# KiCad board the PETER keyboard.kicad_pcb
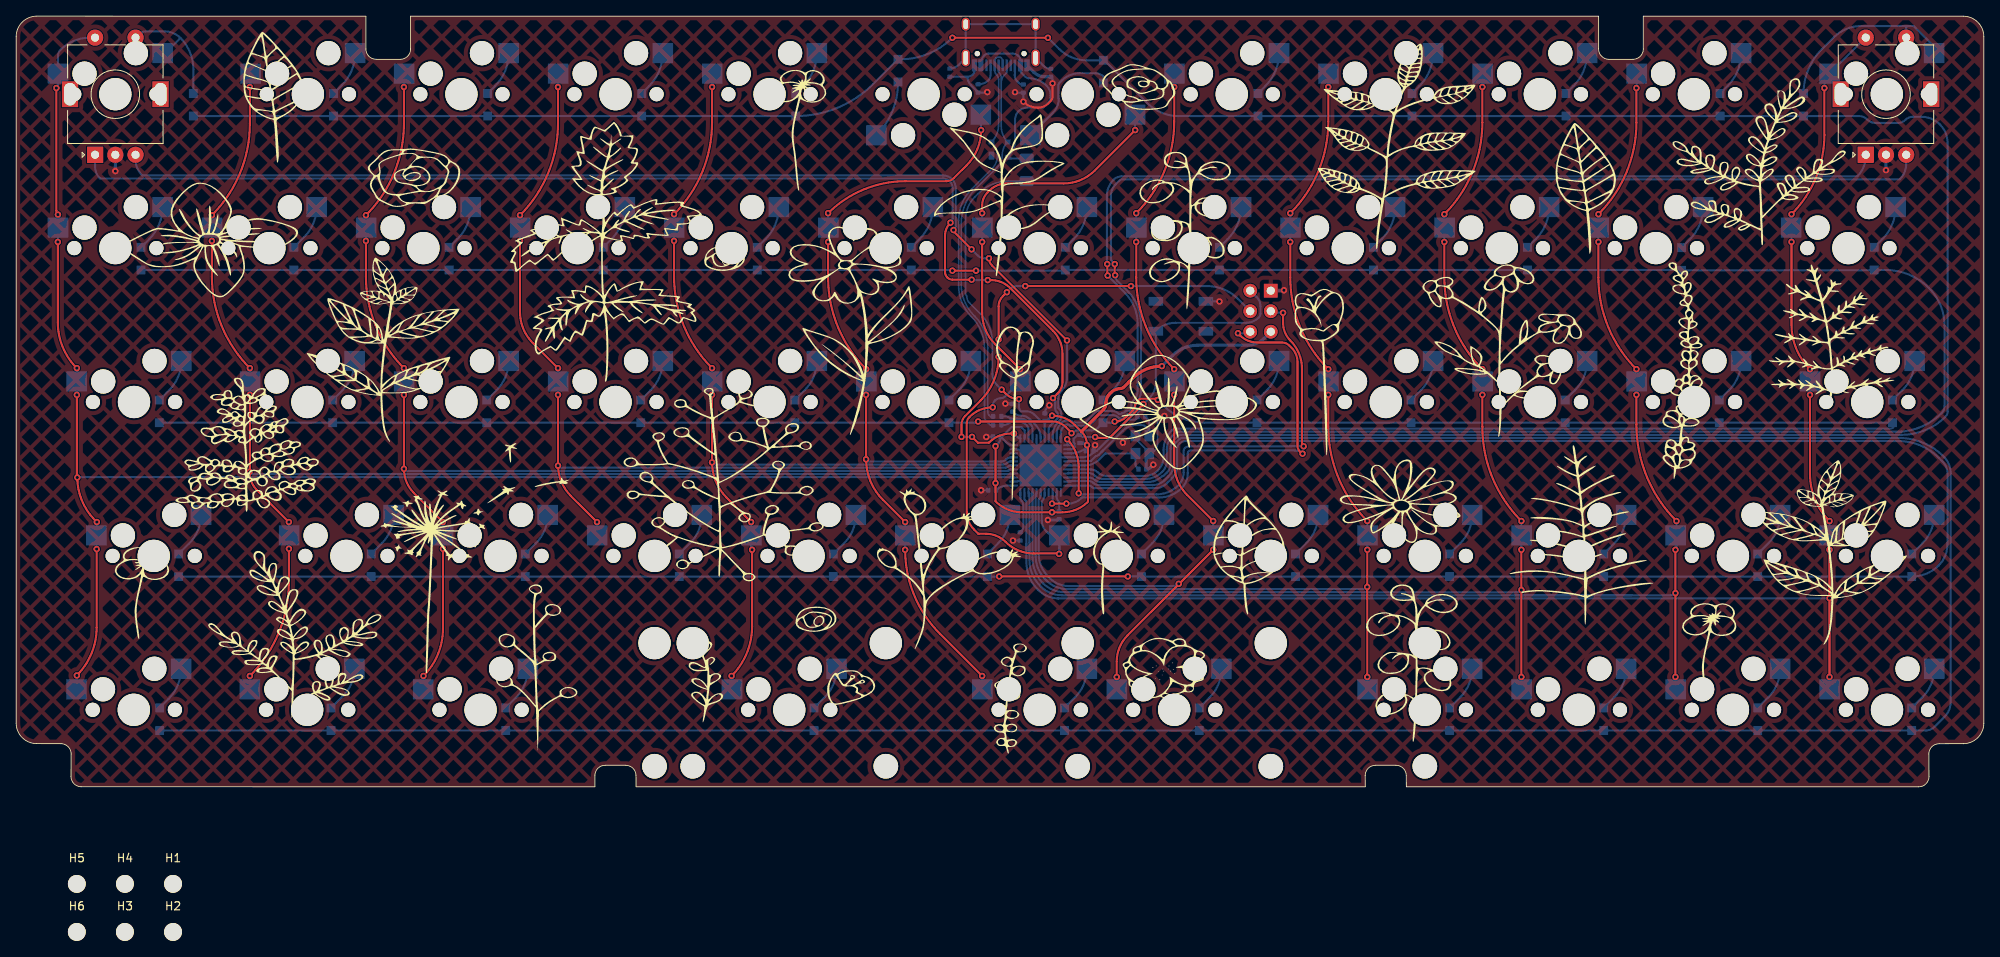
[diagram p0: board, top side]
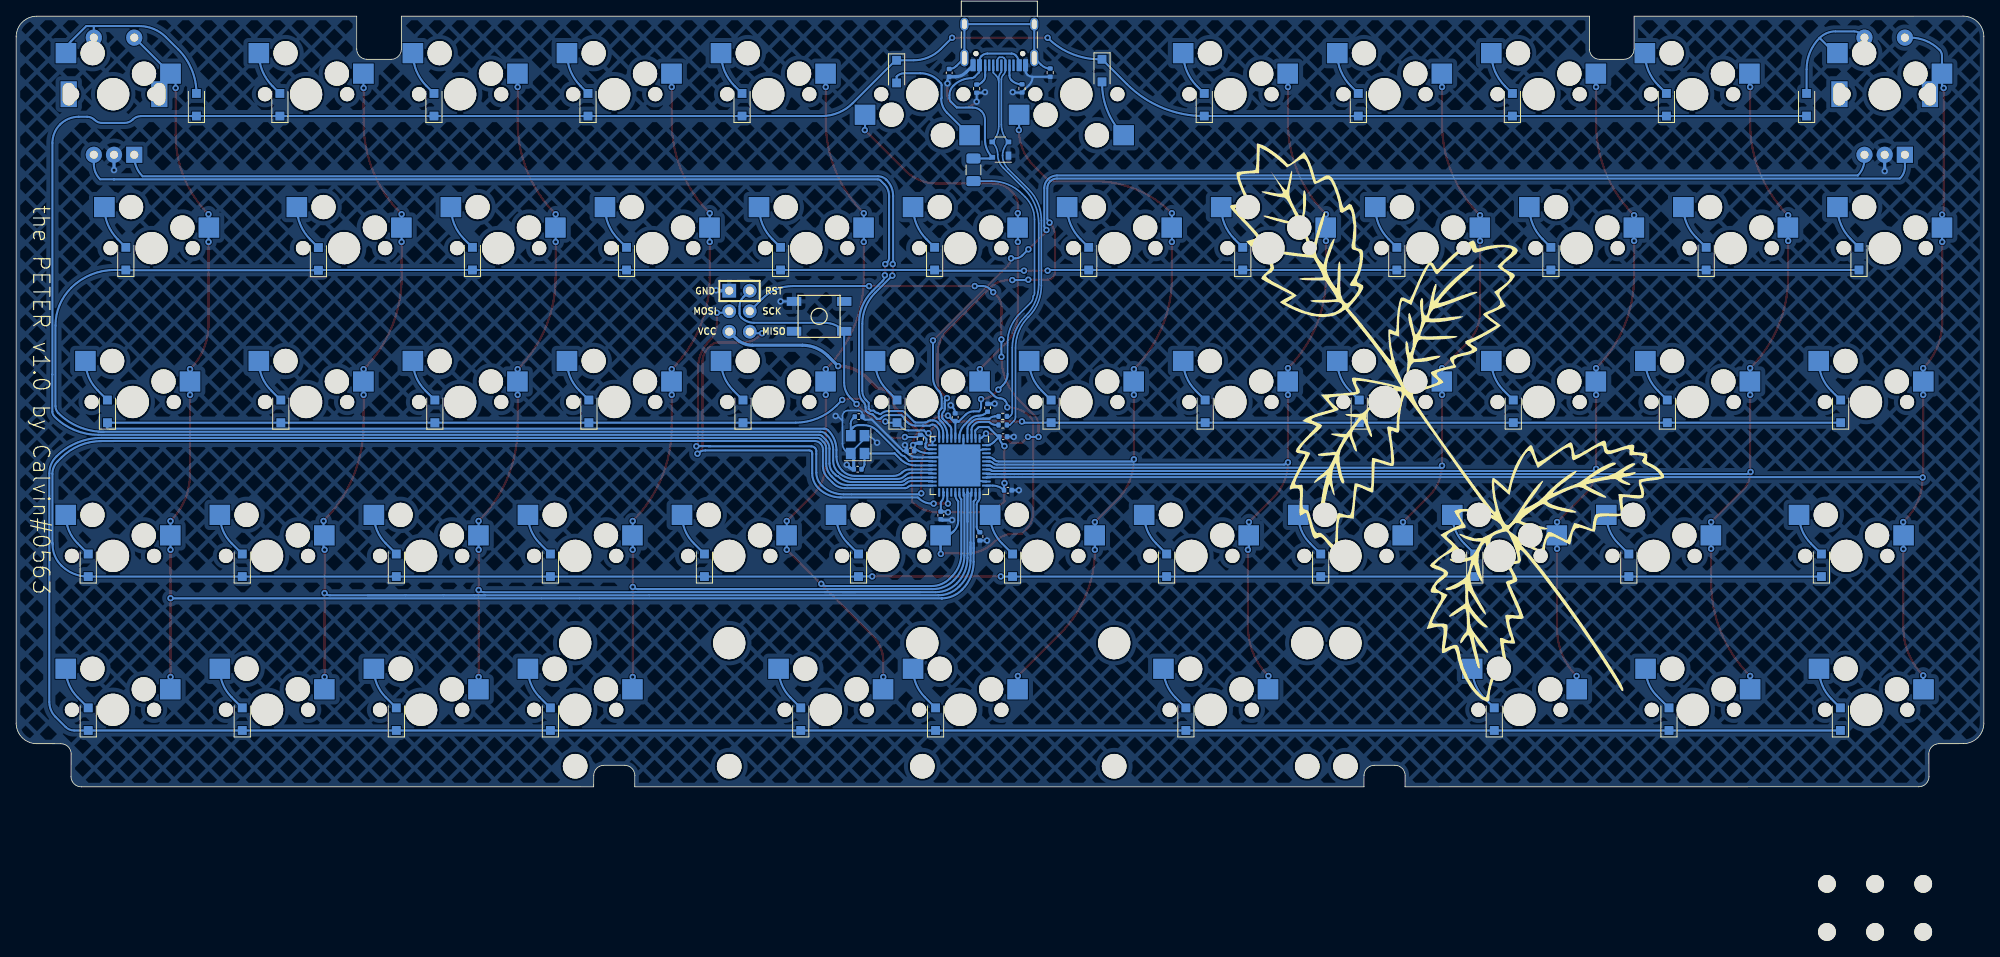
[diagram p1: board, bottom side, seen from below]

Outline 243.31 x 95.39 mm; copper layers: Top, Bottom. Coordinates in mm from the lower left corner of the outline.
Outline path: 0,92.85 0,7.89 arc(0.74,6.09) 2.54,5.35 5.53,5.34 arc(6.42,4.97) 6.8,4.07 6.78,1.28 arc(7.15,0.38) 8.05,0.01 71.57,0.01 71.56,1.39 arc(71.93,2.29) 72.83,2.66 75.37,2.66 arc(76.27,2.29) 76.64,1.39 76.65,0.01 166.82,0.01 166.81,1.39 arc(167.18,2.29) 168.08,2.66 170.62,2.66 arc(171.52,2.29) 171.89,1.39 171.9,0.01 235.26,0 arc(236.16,0.37) 236.53,1.27 236.51,4.07 arc(236.88,4.96) 237.78,5.34 240.77,5.34 arc(242.56,6.08) 243.31,7.88 243.31,92.84 arc(242.56,94.64) 240.77,95.38 201.2,95.38 201.2,91.32 arc(200.83,90.42) 199.93,90.05 196.94,90.05 arc(196.05,90.42) 195.67,91.32 195.67,95.38 48.77,95.38 48.77,91.32 arc(48.4,90.42) 47.5,90.05 44.52,90.05 arc(43.62,90.42) 43.25,91.32 43.25,95.38 2.54,95.39 arc(0.74,94.65) 0,92.85
Stack: Top 0.035mm / dielectric 1.51mm FR4 er 4.5 / Bottom 0.035mm

## Placement (name value [footprint] x y rotation side)
C_crystal1  22pF  [C_0402_1005Metric]  139.26 39.31 180 bottom
C_crystal2  22pF  [C_0402_1005Metric]  139.13 45.81 0 bottom
C_Decoupler1  0.1uF  [C_0402_1005Metric]  128.97 33.6 270 bottom
C_Decoupler2  0.1uF  [C_0402_1005Metric]  120.68 36.71 180 bottom
C_Decoupler3  0.1uF  [C_0402_1005Metric]  132.73 41.57 0 bottom
C_Decoupler4  10uF  [C_0402_1005Metric]  127.19 45.75 90 bottom
C_Decoupler5  0.1uF  [C_0402_1005Metric]  121.26 43.34 180 bottom
C_UCAP1  1uF  [C_0402_1005Metric]  123.18 46.92 90 bottom
C_USBSHIELD1  4.7nF  [C_0402_1005Metric]  127.93 88.37 270 bottom
D1  D_Small  [D_SOD-123F]  21.91 84.42 90 bottom
D2  D_Small  [D_SOD-123F]  39.25 84.42 90 bottom
D3  D_Small  [D_SOD-123F]  58.3 84.42 90 bottom
D4  D_Small  [D_SOD-123F]  77.35 84.42 90 bottom
D5  D_Small  [D_SOD-123F]  96.4 84.42 90 bottom
D6  D_Small  [D_SOD-123F]  109.03 88.65 270 bottom
D7  D_Small  [D_SOD-123F]  134.43 88.52 270 bottom
D8  D_Small  [D_SOD-123F]  153.55 84.42 90 bottom
D9  D_Small  [D_SOD-123F]  172.6 84.42 90 bottom
D10  D_Small  [D_SOD-123F]  191.65 84.42 90 bottom
D11  D_Small  [D_SOD-123F]  210.7 84.42 90 bottom
D12  D_Small  [D_SOD-123F]  221.02 84.42 90 bottom
D13  D_Small  [D_SOD-123F]  15.43 65.37 90 bottom
D14  D_Small  [D_SOD-123F]  34.33 65.37 90 bottom
D15  D_Small  [D_SOD-123F]  53.53 65.37 90 bottom
D16  D_Small  [D_SOD-123F]  72.58 65.37 90 bottom
D17  D_Small  [D_SOD-123F]  91.63 65.37 90 bottom
D18  D_Small  [D_SOD-123F]  110.68 65.37 90 bottom
D19  D_Small  [D_SOD-123F]  129.73 65.37 90 bottom
D20  D_Small  [D_SOD-123F]  148.78 65.37 90 bottom
D21  D_Small  [D_SOD-123F]  167.83 65.37 90 bottom
D22  D_Small  [D_SOD-123F]  186.88 65.37 90 bottom
D23  D_Small  [D_SOD-123F]  205.93 65.34 90 bottom
D24  D_Small  [D_SOD-123F]  229.75 65.37 90 bottom
D25  D_Small  [D_SOD-123F]  17.7 46.47 90 bottom
D26  D_Small  [D_SOD-123F]  39.14 46.47 90 bottom
D27  D_Small  [D_SOD-123F]  58.19 46.47 90 bottom
D28  D_Small  [D_SOD-123F]  77.24 46.47 90 bottom
D29  D_Small  [D_SOD-123F]  96.29 46.47 90 bottom
D30  D_Small  [D_SOD-123F]  115.34 46.47 90 bottom
D31  D_Small  [D_SOD-123F]  134.39 46.47 90 bottom
D32  D_Small  [D_SOD-123F]  153.44 46.47 90 bottom
D33  D_Small  [D_SOD-123F]  172.49 46.47 90 bottom
D34  D_Small  [D_SOD-123F]  191.54 46.47 90 bottom
D35  D_Small  [D_SOD-123F]  210.59 46.47 90 bottom
D36  D_Small  [D_SOD-123F]  232.02 46.47 90 bottom
D37  D_Small  [D_SOD-123F]  20.09 27.42 90 bottom
D38  D_Small  [D_SOD-123F]  43.9 27.42 90 bottom
D39  D_Small  [D_SOD-123F]  62.95 27.42 90 bottom
D40  D_Small  [D_SOD-123F]  82 27.42 90 bottom
D41  D_Small  [D_SOD-123F]  101.05 27.42 90 bottom
D42  D_Small  [D_SOD-123F]  120.1 27.42 90 bottom
D43  D_Small  [D_SOD-123F]  139.15 27.42 90 bottom
D44  D_Small  [D_SOD-123F]  158.2 27.42 90 bottom
D45  D_Small  [D_SOD-123F]  177.25 27.42 90 bottom
D46  D_Small  [D_SOD-123F]  196.3 27.42 90 bottom
D47  D_Small  [D_SOD-123F]  215.35 27.42 90 bottom
D48  D_Small  [D_SOD-123F]  234.4 27.42 90 bottom
D49  D_Small  [D_SOD-123F]  17.73 8.37 90 bottom
D50  D_Small  [D_SOD-123F]  38.93 8.37 90 bottom
D51  D_Small  [D_SOD-123F]  60.53 8.37 90 bottom
D52  D_Small  [D_SOD-123F]  98.67 8.37 90 bottom
D53  D_Small  [D_SOD-123F]  129.62 8.37 90 bottom
D54  D_Small  [D_SOD-123F]  146.29 8.37 90 bottom
D55  D_Small  [D_SOD-123F]  177.25 8.37 90 bottom
D56  D_Small  [D_SOD-123F]  196.3 8.37 90 bottom
D57  D_Small  [D_SOD-123F]  215.35 8.37 90 bottom
D58  D_Small  [D_SOD-123F]  234.4 8.37 90 bottom
D59  PRTR5V0U2X  [SOT-143]  121.61 78.87 0 bottom
F_USBC1  500mA  [Fuse_1206_3216Metric]  124.93 76.37 270 bottom
G***  -  [LOGO]  124.18 48.05 0 top
G***#2  -  [LOGO]  65.89 45.24 145 bottom
H1  MountingHole  [MountingHole_2.2mm_M2]  19.4 -12.01 0 top
H2  MountingHole  [MountingHole_2.2mm_M2]  19.4 -17.96 0 top
H3  MountingHole  [MountingHole_2.2mm_M2]  13.45 -17.96 0 top
H4  MountingHole  [MountingHole_2.2mm_M2]  13.45 -12.01 0 top
H5  MountingHole  [MountingHole_2.2mm_M2]  7.5 -12.01 0 top
H6  MountingHole  [MountingHole_2.2mm_M2]  7.5 -17.96 0 top
J1  USB_C_Receptacle_USB2.0  [USB_C_Receptacle_HRO_TYPE-C-31-M-12]  121.73 93.35 0 bottom
J2  AVR-ISP-6  [Reset_Pretty-Mask]  153.86 58.87 0 bottom
MX1  MX-NoLED  [MXOnly-1U-Hotswap]  12.26 85.73 0 top
MX2  MX-NoLED  [MXOnly-1U-Hotswap]  36.07 85.73 0 top
MX3  MX-NoLED  [MXOnly-1U-Hotswap]  55.06 85.73 0 top
MX4  MX-NoLED  [MXOnly-1U-Hotswap]  74.11 85.73 0 top
MX5  MX-NoLED  [MXOnly-1U-Hotswap]  93.16 85.73 0 top
MX6  MX-NoLED  [MXOnly-1U-Hotswap]  112.21 85.73 180 top
MX7  MX-NoLED  [MXOnly-1U-Hotswap]  131.26 85.73 180 top
MX8  MX-NoLED  [MXOnly-1U-Hotswap]  150.31 85.73 0 top
MX9  MX-NoLED  [MXOnly-1U-Hotswap]  169.36 85.73 0 top
MX10  MX-NoLED  [MXOnly-1U-Hotswap]  188.41 85.73 0 top
MX11  MX-NoLED  [MXOnly-1U-Hotswap]  207.46 85.73 0 top
MX12  MX-NoLED  [MXOnly-1U-Hotswap]  231.31 85.73 0 top
MX13  MX-NoLED  [MXOnly-1U-Hotswap]  12.26 66.68 0 top
MX14  MX-NoLED  [MXOnly-1U-Hotswap]  31.31 66.68 0 top
MX15  MX-NoLED  [MXOnly-1U-Hotswap]  50.36 66.68 0 top
MX16  MX-NoLED  [MXOnly-1U-Hotswap]  69.41 66.68 0 top
MX17  MX-NoLED  [MXOnly-1U-Hotswap]  88.46 66.68 0 top
MX18  MX-NoLED  [MXOnly-1U-Hotswap]  107.51 66.68 0 top
MX19  MX-NoLED  [MXOnly-1U-Hotswap]  126.56 66.68 0 top
MX20  MX-NoLED  [MXOnly-1U-Hotswap]  145.61 66.68 0 top
MX21  MX-NoLED  [MXOnly-1U-Hotswap]  164.66 66.68 0 top
MX22  MX-NoLED  [MXOnly-1U-Hotswap]  183.71 66.68 0 top
MX23  MX-NoLED  [MXOnly-1U-Hotswap]  202.76 66.68 0 top
MX24  MX-NoLED  [MXOnly-1.5U-Hotswap]  226.56 66.68 0 top
MX25  MX-NoLED  [MXOnly-1.25U-Hotswap]  14.57 47.63 0 top
MX26  MX-NoLED  [MXOnly-1U-Hotswap]  36.01 47.63 0 top
MX27  MX-NoLED  [MXOnly-1U-Hotswap]  55.06 47.63 0 top
MX28  MX-NoLED  [MXOnly-1U-Hotswap]  74.11 47.63 0 top
MX29  MX-NoLED  [MXOnly-1U-Hotswap]  93.16 47.63 0 top
MX30  MX-NoLED  [MXOnly-1U-Hotswap]  112.21 47.63 0 top
MX31  MX-NoLED  [MXOnly-1U-Hotswap]  131.26 47.63 0 top
MX32  MX-NoLED  [MXOnly-1U-Hotswap]  150.31 47.63 0 top
MX33  MX-NoLED  [MXOnly-1U-Hotswap]  169.36 47.63 0 top
MX34  MX-NoLED  [MXOnly-1U-Hotswap]  188.41 47.63 0 top
MX35  MX-NoLED  [MXOnly-1U-Hotswap]  207.46 47.63 0 top
MX36  MX-NoLED  [MXOnly-1.25U-Hotswap]  228.9 47.63 0 top
MX37  MX-NoLED  [MXOnly-1.5U-Hotswap]  17.01 28.58 0 top
MX38  MX-NoLED  [MXOnly-1U-Hotswap]  40.83 28.58 0 top
MX39  MX-NoLED  [MXOnly-1U-Hotswap]  59.88 28.58 0 top
MX40  MX-NoLED  [MXOnly-1U-Hotswap]  78.93 28.58 0 top
MX41  MX-NoLED  [MXOnly-1U-Hotswap]  97.98 28.58 0 top
MX42  MX-NoLED  [MXOnly-1U-Hotswap]  117.03 28.58 0 top
MX43  MX-NoLED  [MXOnly-1U-Hotswap]  136.08 28.58 0 top
MX44  MX-NoLED  [MXOnly-1U-Hotswap]  155.13 28.58 0 top
MX45  MX-NoLED  [MXOnly-1U-Hotswap]  174.18 28.58 0 top
MX46  MX-NoLED  [MXOnly-1U-Hotswap]  193.23 28.58 0 top
MX47  MX-NoLED  [MXOnly-1U-Hotswap]  212.28 28.58 0 top
MX48  MX-NoLED  [MXOnly-1U-Hotswap]  231.33 28.58 0 top
MX49  MX-NoLED  [MXOnly-1.25U-Hotswap]  14.55 9.53 0 top
MX50  MX-NoLED  [MXOnly-1U-Hotswap]  35.98 9.53 0 top
MX51  MX-NoLED  [MXOnly-1.25U-Hotswap]  57.42 9.53 0 top
MX52  MX-NoLED  [MXOnly-2.75U-Hotswap-ReversedStabilizers]  95.6 9.53 0 top
MX53  MX-NoLED  [MXOnly-6U-Centered-Hotswap-ReversedStabilizers]  126.56 9.53 0 top
MX54  MX-NoLED  [MXOnly-2.25U-Hotswap-ReversedStabilizers]  143.2 9.53 0 top
MX55  MX-NoLED  [MXOnly-1U-Hotswap]  174.18 9.53 0 top
MX56  MX-NoLED  [MXOnly-1U-Hotswap]  193.23 9.53 0 top
MX57  MX-NoLED  [MXOnly-1U-Hotswap]  212.28 9.53 0 top
MX58  MX-NoLED  [MXOnly-1U-Hotswap]  231.33 9.53 0 top
R_HWB/PE2  10k  [R_0402_1005Metric]  124.15 30.99 270 bottom
R_reset1  10k  [R_0402_1005Metric]  131.51 43.06 90 bottom
R_USB1  5.1k  [R_0402_1005Metric]  118.93 86.44 270 bottom
R_USB2  5.1k  [R_0402_1005Metric]  124.53 86.42 270 bottom
R_USB3  22ohm  [R_0402_1005Metric]  121.31 44.79 0 bottom
R_USB4  22ohm  [R_0402_1005Metric]  121.31 45.85 0 bottom
R_USBSHIELD1  1M  [R_0402_1005Metric]  115.45 88.4 270 bottom
SW1  RotaryEncoder_Switch  [RotaryEncoder_Alps_EC11E-Switch_Vertical_H20mm]  12.26 85.73 90 top
SW2  SW_Push  [SKQG-1155865]  144.02 58.24 0 bottom
SW12  RotaryEncoder_Switch  [RotaryEncoder_Alps_EC11E-Switch_Vertical_H20mm]  231.21 85.73 90 top
U1  ATmega32U4-M  [QFN-44-1EP_7x7mm_P0.5mm_EP5.2x5.2mm]  126.67 39.78 270 bottom
Y1  Crystal_GND24_Small  [Crystal_SMD_3225-4Pin_3.2x2.5mm]  139.26 42.36 90 bottom

## Footprints (pads in the part's own frame, mm; a bottom-side part is the same pattern mirrored in y, then rotated)
C_0402_1005Metric
  rrect 0.56x0.62 smd: 1(-0.48,0) 2(0.48,0)
Crystal_SMD_3225-4Pin_3.2x2.5mm
  rect 1.4x1.2 smd: 1(-1.1,-0.85) 2(1.1,-0.85) 3(1.1,0.85) 4(-1.1,0.85)
D_SOD-123F
  rect 1.1x1.1 smd: 1(-1.4,0) 2(1.4,0)
Fuse_1206_3216Metric
  rrect 1.25x1.75 smd: 1(-1.4,0) 2(1.4,0)
MountingHole_2.2mm_M2
  round 2.2 hole 2.2 unplated: (0,0)
MXOnly-1.5U-Hotswap
  round 1.75 hole 1.75 unplated: (-5.08,0) (5.08,0)
  round 3 hole 3 unplated: (-3.81,2.54) (2.54,5.08)
  round 3.988 hole 3.988 unplated: (0,0)
  rect 2.55x2.5 smd far side: 1(-7.085,2.54) 2(5.842,5.08)
MXOnly-1.25U-Hotswap
  round 1.75 hole 1.75 unplated: (-5.08,0) (5.08,0)
  round 3 hole 3 unplated: (-3.81,2.54) (2.54,5.08)
  round 3.988 hole 3.988 unplated: (0,0)
  rect 2.55x2.5 smd far side: 1(-7.085,2.54) 2(5.842,5.08)
MXOnly-1U-Hotswap
  round 1.75 hole 1.75 unplated: (-5.08,0) (5.08,0)
  round 3 hole 3 unplated: (-3.81,2.54) (2.54,5.08)
  round 3.988 hole 3.988 unplated: (0,0)
  rect 2.55x2.5 smd far side: 1(-7.085,2.54) 2(5.842,5.08)
MXOnly-2.25U-Hotswap-ReversedStabilizers
  round 3.988 hole 3.988 unplated: (-11.938,8.255) (0,0) (11.938,8.255)
  round 3.048 hole 3.048 unplated: (-11.938,-6.985) (11.938,-6.985)
  round 1.75 hole 1.75 unplated: (-5.08,0) (5.08,0)
  round 3 hole 3 unplated: (-3.81,2.54) (2.54,5.08)
  rect 2.55x2.5 smd far side: 1(-7.085,2.54) 2(5.842,5.08)
MXOnly-2.75U-Hotswap-ReversedStabilizers
  round 3.988 hole 3.988 unplated: (-11.938,8.255) (0,0) (11.938,8.255)
  round 3.048 hole 3.048 unplated: (-11.938,-6.985) (11.938,-6.985)
  round 1.75 hole 1.75 unplated: (-5.08,0) (5.08,0)
  round 3 hole 3 unplated: (-3.81,2.54) (2.54,5.08)
  rect 2.55x2.5 smd far side: 1(-7.085,2.54) 2(5.842,5.08)
MXOnly-6U-Centered-Hotswap-ReversedStabilizers
  round 3.988 hole 3.988 unplated: (-47.625,8.255) (0,0) (47.625,8.255)
  round 3.048 hole 3.048 unplated: (-47.625,-6.985) (47.625,-6.985)
  round 1.75 hole 1.75 unplated: (-5.08,0) (5.08,0)
  round 3 hole 3 unplated: (-3.81,2.54) (2.54,5.08)
  rect 2.55x2.5 smd far side: 1(-7.085,2.54) 2(5.842,5.08)
QFN-44-1EP_7x7mm_P0.5mm_EP5.2x5.2mm
  rrect 1.05x1.05 smd: (-1.95,-1.95) (-1.95,-0.65) (-1.95,0.65) (-1.95,1.95) (-0.65,-1.95) (-0.65,-0.65) (-0.65,0.65) (-0.65,1.95) (0.65,-1.95) (0.65,-0.65) (0.65,0.65) (0.65,1.95) (1.95,-1.95) (1.95,-0.65) (1.95,0.65) (1.95,1.95)
  rrect 1.075x0.25 smd: 1(-3.337,2.5) 2(-3.337,2) 3(-3.337,1.5) 4(-3.337,1) 5(-3.337,0.5) 6(-3.337,0) 7(-3.337,-0.5) 8(-3.337,-1) 9(-3.337,-1.5) 10(-3.337,-2) 11(-3.337,-2.5) 23(3.337,-2.5) 24(3.337,-2) 25(3.337,-1.5) 26(3.337,-1) 27(3.337,-0.5) 28(3.337,0) 29(3.337,0.5) 30(3.337,1) 31(3.337,1.5) 32(3.337,2) 33(3.337,2.5)
  rrect 0.25x1.075 smd: 12(-2.5,-3.337) 13(-2,-3.337) 14(-1.5,-3.337) 15(-1,-3.337) 16(-0.5,-3.337) 17(0,-3.337) 18(0.5,-3.337) 19(1,-3.337) 20(1.5,-3.337) 21(2,-3.337) 22(2.5,-3.337) 34(2.5,3.337) 35(2,3.337) 36(1.5,3.337) 37(1,3.337) 38(0.5,3.337) 39(0,3.337) 40(-0.5,3.337) 41(-1,3.337) 42(-1.5,3.337) 43(-2,3.337) 44(-2.5,3.337)
  rect 5.2x5.2 smd: 45(0,0)
R_0402_1005Metric
  rrect 0.54x0.64 smd: 1(-0.51,0) 2(0.51,0)
Reset_Pretty-Mask
  round 1.7 hole 1: 1(-1.27,2.54) 2(1.27,2.54) 3(-1.27,0) 4(1.27,0) 5(-1.27,-2.54)
  rect 1.7x1.7 hole 1: 6(1.27,-2.54)
RotaryEncoder_Alps_EC11E-Switch_Vertical_H20mm
  rect 2x2 hole 1: A(-7.5,2.5)
  round 2 hole 1: B(-7.5,-2.5) C(-7.5,0) S1(7,-2.5) S2(7,2.5)
  rect 3.2x2 hole 2.8x1.5: MP(0,5.6) MP(0,-5.6)
SKQG-1155865
  rect 1.8x1.1 smd: 1(3.1,-1.85) 2(-3.1,1.85) 3(3.1,1.85) 4(-3.1,-1.85)
SOT-143
  rect 0.7x1 smd: 1(-1,0.75)
  rect 0.7x0.6 smd: 2(-1,-0.95) 3(1,-0.95) 4(1,0.95)
USB_C_Receptacle_HRO_TYPE-C-31-M-12
  round 0.65 hole 0.65 unplated: (-2.89,2.6) (2.89,2.6)
  rect 0.6x1.45 smd: A1(-3.25,4.045) A4(-2.45,4.045) A9(2.45,4.045) A12(3.25,4.045) B1(3.25,4.045) B4(2.45,4.045) B9(-2.45,4.045) B12(-3.25,4.045)
  rect 0.3x1.45 smd: A5(-1.25,4.045) A6(-0.25,4.045) A7(0.25,4.045) A8(1.25,4.045) B5(1.75,4.045) B6(0.75,4.045) B7(-0.75,4.045) B8(-1.75,4.045)
  oval 1x1.6 hole 0.6x1.2: S1(-4.32,-1.05) S1(4.32,-1.05)
  oval 1x2.1 hole 0.6x1.7: S1(-4.32,3.13) S1(4.32,3.13)

## Nets
+5V: C_Decoupler1.1 C_Decoupler2.1 C_Decoupler3.1 C_Decoupler4.1 C_Decoupler5.1 F_USBC1.2 J2.2 R_reset1.1 U1.2 U1.7 U1.14 U1.24 U1.34 U1.44
GND: C_crystal1.1 C_crystal2.1 C_Decoupler1.2 C_Decoupler2.2 C_Decoupler3.2 C_Decoupler4.2 C_Decoupler5.2 C_UCAP1.2 C_USBSHIELD1.2 D59.1 J1.A1 J1.A12 J1.B1 J1.B12 J2.6 R_HWB/PE2.2 R_USB1.2 R_USB2.2 R_USBSHIELD1.2 SW1.C SW2.1 SW12.C U1.5 U1.15 U1.23 U1.35 U1.43 U1.45 Y1.2 Y1.4
VCC: D59.4 F_USBC1.1 J1.A4 J1.A9 J1.B4 J1.B9
 ROW3: D37.1 D38.1 D39.1 D40.1 D41.1 D42.1 D43.1 D44.1 D45.1 D46.1 D47.1 D48.1 U1.22
COL0: MX1.1 MX13.1 MX25.1 MX37.1 MX49.1 SW1.S2 U1.36
COL1: MX2.1 MX14.1 MX26.1 MX38.1 MX50.1 U1.37
COL2: MX3.1 MX15.1 MX27.1 MX39.1 MX51.1 U1.38
COL3: MX4.1 MX16.1 MX28.1 MX40.1 U1.39
COL4: MX5.1 MX17.1 MX29.1 MX41.1 MX52.1 U1.40
COL5: MX6.1 MX18.1 MX30.1 MX42.1 MX53.1 U1.41
COL6: MX7.1 MX19.1 MX31.1 MX43.1 U1.27
COL7: MX8.1 MX20.1 MX32.1 MX44.1 MX54.1 U1.28
COL8: MX9.1 MX21.1 MX33.1 MX45.1 MX55.1 U1.29
COL9: MX10.1 MX22.1 MX34.1 MX46.1 MX56.1 U1.30
COL10: MX11.1 MX23.1 MX35.1 MX47.1 MX57.1 U1.31
COL11: MX12.1 MX24.1 MX36.1 MX48.1 MX58.1 SW12.S2 U1.32
D+: D59.3 J1.A6 J1.B6 R_USB4.1
D-: D59.2 J1.A7 J1.B7 R_USB3.1
MISO: J2.1 U1.25
MOSI: J2.4 U1.12
RESET: J2.5 R_reset1.2 SW2.2 U1.13
ROTARY_A: SW1.A U1.8
ROTARY_B: SW1.B U1.9
ROTARY_C: SW12.B U1.11
ROTARY_D: SW12.A U1.10
ROW0: D1.1 D2.1 D3.1 D4.1 D5.1 D6.1 D7.1 D8.1 D9.1 D10.1 D11.1 D12.1 U1.20
ROW1: D13.1 D14.1 D15.1 D16.1 D17.1 D18.1 D19.1 D20.1 D21.1 D22.1 D23.1 D24.1 U1.19
ROW2: D25.1 D26.1 D27.1 D28.1 D29.1 D30.1 D31.1 D32.1 D33.1 D34.1 D35.1 D36.1 U1.18
ROW4: D49.1 D50.1 D51.1 D52.1 D53.1 D54.1 D55.1 D56.1 D57.1 D58.1 U1.21
SCK: J2.3 U1.1
Net-(C_crystal1-Pad2): C_crystal1.2 U1.17 Y1.1
Net-(C_crystal2-Pad2): C_crystal2.2 U1.16 Y1.3
Net-(C_UCAP1-Pad1): C_UCAP1.1 U1.6
Net-(C_USBSHIELD1-Pad1): C_USBSHIELD1.1 J1.S1 R_USBSHIELD1.1
Net-(D1-Pad2): D1.2 MX1.2 SW1.S1
Net-(D2-Pad2): D2.2 MX2.2
Net-(D3-Pad2): D3.2 MX3.2
Net-(D4-Pad2): D4.2 MX4.2
Net-(D5-Pad2): D5.2 MX5.2
Net-(D6-Pad2): D6.2 MX6.2
Net-(D7-Pad2): D7.2 MX7.2
Net-(D8-Pad2): D8.2 MX8.2
Net-(D9-Pad2): D9.2 MX9.2
Net-(D10-Pad2): D10.2 MX10.2
Net-(D11-Pad2): D11.2 MX11.2
Net-(D12-Pad2): D12.2 MX12.2 SW12.S1
Net-(D13-Pad2): D13.2 MX13.2
Net-(D14-Pad2): D14.2 MX14.2
Net-(D15-Pad2): D15.2 MX15.2
Net-(D16-Pad2): D16.2 MX16.2
Net-(D17-Pad2): D17.2 MX17.2
Net-(D18-Pad2): D18.2 MX18.2
Net-(D19-Pad2): D19.2 MX19.2
Net-(D20-Pad2): D20.2 MX20.2
Net-(D21-Pad2): D21.2 MX21.2
Net-(D22-Pad2): D22.2 MX22.2
Net-(D23-Pad2): D23.2 MX23.2
Net-(D24-Pad2): D24.2 MX24.2
Net-(D25-Pad2): D25.2 MX25.2
Net-(D26-Pad2): D26.2 MX26.2
Net-(D27-Pad2): D27.2 MX27.2
Net-(D28-Pad2): D28.2 MX28.2
Net-(D29-Pad2): D29.2 MX29.2
Net-(D30-Pad2): D30.2 MX30.2
Net-(D31-Pad2): D31.2 MX31.2
Net-(D32-Pad2): D32.2 MX32.2
Net-(D33-Pad2): D33.2 MX33.2
Net-(D34-Pad2): D34.2 MX34.2
Net-(D35-Pad2): D35.2 MX35.2
Net-(D36-Pad2): D36.2 MX36.2
Net-(D37-Pad2): D37.2 MX37.2
Net-(D38-Pad2): D38.2 MX38.2
Net-(D39-Pad2): D39.2 MX39.2
Net-(D40-Pad2): D40.2 MX40.2
Net-(D41-Pad2): D41.2 MX41.2
Net-(D42-Pad2): D42.2 MX42.2
Net-(D43-Pad2): D43.2 MX43.2
Net-(D44-Pad2): D44.2 MX44.2
Net-(D45-Pad2): D45.2 MX45.2
Net-(D46-Pad2): D46.2 MX46.2
Net-(D47-Pad2): D47.2 MX47.2
Net-(D48-Pad2): D48.2 MX48.2
Net-(D49-Pad2): D49.2 MX49.2
Net-(D50-Pad2): D50.2 MX50.2
Net-(D51-Pad2): D51.2 MX51.2
Net-(D52-Pad2): D52.2 MX52.2
Net-(D53-Pad2): D53.2 MX53.2
Net-(D54-Pad2): D54.2 MX54.2
Net-(D55-Pad2): D55.2 MX55.2
Net-(D56-Pad2): D56.2 MX56.2
Net-(D57-Pad2): D57.2 MX57.2
Net-(D58-Pad2): D58.2 MX58.2
Net-(J1-PadA5): J1.A5 R_USB1.1
Net-(J1-PadB5): J1.B5 R_USB2.1
Net-(R_HWB/PE2-Pad1): R_HWB/PE2.1 U1.33
Net-(R_USB3-Pad2): R_USB3.2 U1.3
Net-(R_USB4-Pad2): R_USB4.2 U1.4

Pads without a net: J1 A8 B8; SW1 MP; SW2 3 4; SW12 MP; U1 26 42

## Via types
v1: diameter 0.8, hole 0.4, Top to Bottom, 169 vias

## Routing (per net, layer and track width the routed paths; a pad name or vN(x,y) marks a point on that pad's centre or on a via; arc(x,y) is an arc through that point)
+5V: length 123.9
  Top w0.25: 128.09,45.86 v1(128.09,45.94) 128.11,45.94 arc(129.62,45.64) 130.9,44.79 131.72,43.97 arc(132.23,43.21) v1(132.41,42.3) arc(132.5,42.17) 132.53,42.01 132.53,35.29 arc(131.08,34.32) 129.37,33.98 v1(128.08,33.98) 124.38,33.98 arc(122.6,34.33) 121.1,35.34 v1(121.1,37.6) v1(121.1,42.17) ; v1(121.86,49.16) 122.35,48.67 arc(123.1,48.16) v1(123.99,47.99)
  Top w0.386: 131.72,43.97 134.44,46.69 arc(134.68,47.05) 134.76,47.48 134.76,47.54 arc(134.88,48.14) 135.22,48.65 135.38,48.8 arc(135.94,49.18) 136.59,49.31 arc(136.78,49.34) 136.94,49.45 138.07,50.58 arc(139.73,51.69) v1(141.67,52.08)
  Bottom w0.2: 120.72,51.1 120.72,54.97 arc(120.34,56.9) 119.25,58.53 117.9,59.87 arc(117.64,60.27) 117.54,60.74 arc(117.43,60.91) 117.39,61.1 117.39,70.24 arc(117.69,71.74) 118.54,73.01 118.94,73.41 arc(120.67,74.57) 122.71,74.97 F_USBC1.2
  Bottom w0.25: v1(121.86,49.16) 121.29,49.73 arc(120.87,50.36) 120.72,51.1 ; C_Decoupler5.1 122.42,42.66 arc(122.84,42.38) U1.44 123.07,42.28 ; v1(123.99,47.99) 123.99,47.05 arc(124.06,46.74) 124.23,46.48 124.91,46.48 arc(125.45,46.37) 125.9,46.07 126.77,45.19 126.79,45.19 arc(127.3,45.29) 127.72,45.58 ; 127.72,45.58 v1(128.09,45.94) ; 127.72,45.58 127.49,45.35 arc(127.41,45.29) 127.31,45.27 ; 132.25,41.69 132.25,42.04 arc(132.27,42.14) 132.33,42.23 v1(132.41,42.3) 132.41,42.08 arc(131.53,41.49) 130.49,41.28 U1.14 ; U1.7 127.17,45.25 ; U1.34 122.54,37.28 arc(121.79,37.13) C_Decoupler2.1 121.16,37.45 arc(121.14,37.53) v1(121.1,37.6) ; U1.24 128.63,36.44 128.63,36.44 128.63,36.07 arc(128.72,35.62) 128.97,35.23 C_Decoupler1.1 128.32,34.08 arc(128.19,34.05) v1(128.08,33.98) ; 124.72,43.19 124.72,44.09
  Bottom w0.254: 124.72,44.09 124.33,44.48 arc(124.27,44.52) 124.2,44.53 123.08,44.53 121.99,43.44 arc(121.88,43.36) C_Decoupler5.1 arc(121.65,42.85) 121.37,42.44 v1(121.1,42.17)
  Bottom w0.386: J2.2 154.3,55.49 arc(153.37,54.87) 152.28,54.66 146.08,54.66 arc(144.39,54.32) 142.96,53.37 v1(141.67,52.08) ; R_reset1.1 131.82,42.55 arc(132.14,42.48) v1(132.41,42.3)
GND: length 78.6
  Top w0.25: v1(124.54,84.8) 124.56,84.79 arc(125.37,84.25) 126.33,84.05 arc(127.04,84.19) 127.63,84.59 127.91,84.87 arc(128.09,85.14) 128.15,85.46 v1(128.15,87.07)
  Bottom w0.2: v1(136.85,42.6) 137.21,42.96 arc(137.76,43.33) Y1.2 138.41,43.26 arc(138.45,43.08) 138.55,42.92 140.07,41.4 arc(140.1,41.36) 140.11,41.31 arc(140.12,41.27) 140.16,41.26 ; 141.13,45.31 141.13,42.48 arc(141.04,42.01) 140.78,41.62 140.53,41.37 arc(140.41,41.29) 140.27,41.26 140.16,41.26 ; 141.13,45.31 141.13,45.89 arc(141.08,46.15) 140.93,46.37 arc(140.71,46.52) 140.45,46.57 139.13,46.57 arc(138.95,46.54) 138.79,46.43 arc(138.69,46.28) 138.65,46.09 138.65,45.95 arc(138.61,45.86) 138.51,45.81 ; 141.13,45.31 141.54,45.72 arc(141.74,45.86) v1(141.98,45.9) ; 140.16,41.26 arc(140.11,41.25) 140.07,41.22
  Bottom w0.25: C_Decoupler5.2 120,43.34 arc(119.98,43.33) 119.97,43.33 v1(119.96,43.31) ; 133.21,41.58 133.21,42.06 ; 133.21,41.58 133.21,41.57 ; 133.21,41.58 133.21,41.96 arc(133.24,42.09) 133.31,42.2 v1(133.41,42.29) ; 133.21,41.58 arc(133.22,41.57) 133.22,41.57 ; v1(127.75,47.22) 127.5,46.97 arc(127.27,46.63) C_Decoupler4.2 ; 133.22,41.57 133.61,41.57 ; 133.22,41.57 arc(133.22,41.57) 133.21,41.57 ; 133.61,41.57 137.48,45.44 138.28,45.44 arc(138.54,45.55) C_crystal2.1 ; 133.61,41.57 arc(133.4,41.53) 133.22,41.41 133.09,41.28 arc(132.54,40.91) 131.88,40.78 U1.15 129.09,40.78 arc(127.78,40.52) U1.45 ; SW2.1 148.77,60.09 arc(148.78,60.08) 148.78,60.08 v1(148.78,60.08) ; U1.45 125.62,38.73 arc(124.57,38.03) U1.35 ; U1.45 125.62,40.84 arc(124.57,41.54) U1.43 ; U1.45 arc(126.3,40.34) 126.17,40.99 U1.5 ; 133.21,41.57 arc(133.21,41.57) 133.21,41.56 ; v1(120.08,85.98) 120.06,85.96 arc(120.03,85.94) 119.99,85.93 119.14,85.93 ; v1(128.15,87.07) 128.15,87.52 arc(128.12,87.66) 128.04,87.78 arc(127.92,87.86) 127.78,87.89 ; 124.15,30.48 123.26,30.48 arc(123.26,30.48) v1(123.26,30.48) ; C_Decoupler2.2 v1(119.32,36.71) ; v1(123.51,85.98) arc(123.6,85.93) 123.7,85.91 R_USB2.2 124.53,84.82 arc(124.54,84.81) v1(124.54,84.8)